# Altium PCB CX4.PcbDoc (part 1 of 2) (continued)
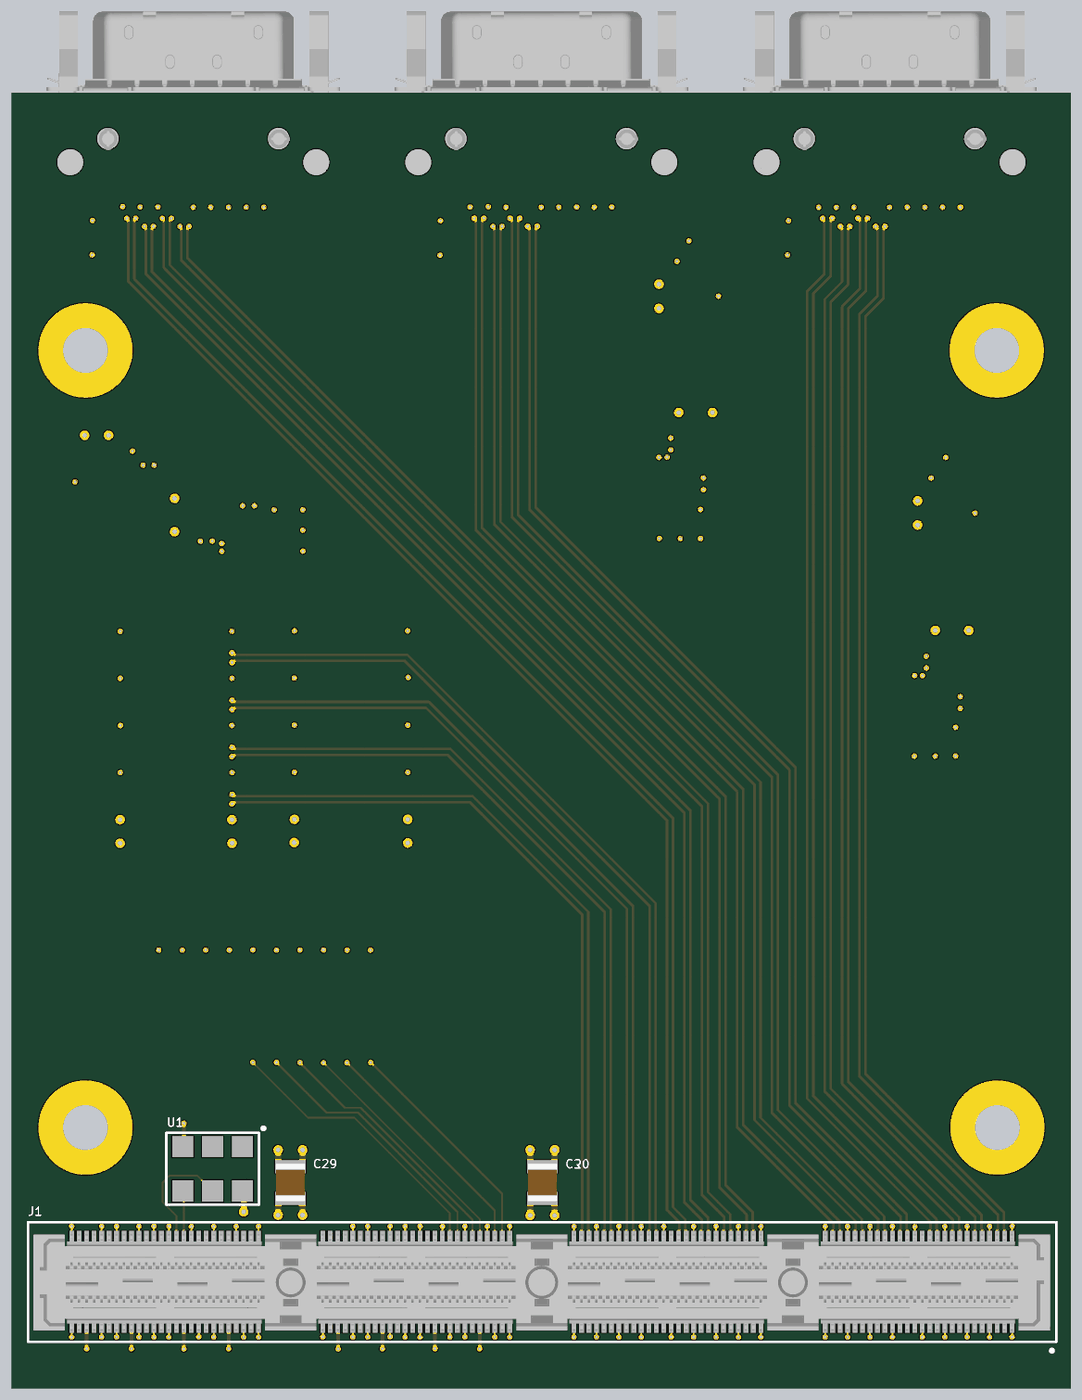
[diagram p8: 3D render of the assembled board from below, using the file's embedded part models]

## Layer stack, top to bottom
Top Layer: signal copper 1.4
Dielectric: core 4.9606, FR-4, Dk 4.8
Internal Plane 1: plane copper 1.4, net 3V3
Dielectric: prepreg 13.7795, FR-4, Dk 4.8
Mid-Layer 1: signal copper 1.4
Dielectric: core 18.1102, FR-4, Dk 4.8
Mid-Layer 2: signal copper 1.4
Dielectric: prepreg 13.7795, FR-4, Dk 4.8
Internal Plane 2: plane copper 1.4, net GND
Dielectric: core 4.9606, FR-4, Dk 4.8
Bottom Layer: signal copper 1.4

## Board outline
2.29,4333.21 3545.59,4333.21 3545.59,2.5 2.29,2.5

## Design rules (kind name [scope] priority, off if disabled: settings)
Clearance Clearance_mgt [InNetClass('mezz_mgt') vs InNetClass('mezz_mgt')] p1: gap=6
Clearance [All] p2: gap=1
DiffPairsRouting [All] p1: maxlimit=14 minlimit=11.8 mostfreqgap=12 maxuncoupledlength=500
PasteMaskExpansion [All] p1 off: expansion=0
PlaneClearance [All] p1: clearance=20
PlaneConnect [All] p1: planeconnectstyle=Relief reliefexpansion=20 reliefentries=4 reliefconductorwidth=10 reliefairgap=6
PolygonConnect [All] p1: connectstyle=Relief reliefconductorwidth=10 reliefentries=4 polygonreliefangle="90 Angle"
RoutingVias [All] p1: holewidth=10 width=19.4 viastyle="Through Hole" minholewidth=10 minwidth=18 maxholewidth=28 maxwidth=50
SilkscreenOverComponentPads [All] p1: minsilkscreentomaskgap=10
SolderMaskExpansion [All] p1 off: expansion=4
Width [All] p1: maxlimit=20 minlimit=6 preferedwidth=8.2
23 further rules are at their usual default settings.

## Classes and differential pairs
net class mezz_mgt: MGT_RX_16_N MGT_RX_16_P MGT_RX_17_N MGT_RX_17_P MGT_RX_18_N MGT_RX_18_P MGT_RX_19_N MGT_RX_19_P MGT_RX_20_N MGT_RX_20_P MGT_RX_21_N MGT_RX_21_P MGT_RX_22_N MGT_RX_22_P MGT_RX_23_N MGT_RX_23_P MGT_RX_24_N MGT_RX_24_P MGT_RX_25_N MGT_RX_25_P MGT_RX_26_N MGT_RX_26_P MGT_RX_27_N MGT_RX_27_P MGT_RX_28_N MGT_RX_28_P MGT_RX_29_N MGT_RX_29_P MGT_RX_30_N MGT_RX_30_P MGT_RX_31_N MGT_RX_31_P MGT_TX_16_N MGT_TX_16_P MGT_TX_17_N MGT_TX_17_P MGT_TX_18_N MGT_TX_18_P MGT_TX_19_N MGT_TX_19_P MGT_TX_20_N MGT_TX_20_P MGT_TX_21_N MGT_TX_21_P MGT_TX_22_N MGT_TX_22_P MGT_TX_23_N MGT_TX_23_P MGT_TX_24_N MGT_TX_24_P MGT_TX_25_N MGT_TX_25_P MGT_TX_26_N MGT_TX_26_P MGT_TX_27_N MGT_TX_27_P MGT_TX_28_N MGT_TX_28_P MGT_TX_29_N MGT_TX_29_P MGT_TX_30_N MGT_TX_30_P MGT_TX_31_N MGT_TX_31_P
component class CX4_3port_card: C29 C30 C? J1 P1 P2 P3 P? U1
component class CX4_enable_logic: C2 C3 C4 C5 C6 C7 C8 C9 C10 C11 C12 C13 C14 C15 C16 C17 C18 C19 C20 C21 C22 C23 C24 C25 C26 C27 C28 DS1 DS2 DS3 J2 J3 J4 R1 R2 R3 R4 R5 R6 R7 R8 R9 R10 R11 R12 R13 R14 R15 R16 R17 R18 U2 U3 U4 U5 U6 U7 U8 U9 U10
differential pair MGT1_REFCLK: +MGT1_REFCLK_P -MGT1_REFCLK_N
differential pair MGT_TX_28: +MGT_TX_28_P -MGT_TX_28_N
differential pair MGT_RX_16: +MGT_RX_16_P -MGT_RX_16_N
differential pair MGT_RX_17: +MGT_RX_17_P -MGT_RX_17_N
differential pair MGT_RX_18: +MGT_RX_18_P -MGT_RX_18_N
differential pair MGT_RX_19: +MGT_RX_19_P -MGT_RX_19_N
differential pair MGT_RX_20: +MGT_RX_20_P -MGT_RX_20_N
differential pair MGT_RX_21: +MGT_RX_21_P -MGT_RX_21_N
differential pair MGT_RX_22: +MGT_RX_22_P -MGT_RX_22_N
differential pair MGT_RX_23: +MGT_RX_23_P -MGT_RX_23_N
differential pair MGT_RX_24: +MGT_RX_24_P -MGT_RX_24_N
differential pair MGT_RX_25: +MGT_RX_25_P -MGT_RX_25_N
differential pair MGT_RX_26: +MGT_RX_26_P -MGT_RX_26_N
differential pair MGT_RX_27: +MGT_RX_27_P -MGT_RX_27_N
differential pair MGT_RX_28: +MGT_RX_28_P -MGT_RX_28_N
differential pair MGT_RX_29: +MGT_RX_29_P -MGT_RX_29_N
differential pair MGT_RX_30: +MGT_RX_30_P -MGT_RX_30_N
differential pair MGT_RX_31: +MGT_RX_31_P -MGT_RX_31_N
differential pair MGT_TX_16: +MGT_TX_16_P -MGT_TX_16_N
differential pair MGT_TX_17: +MGT_TX_17_P -MGT_TX_17_N
differential pair MGT_TX_18: +MGT_TX_18_P -MGT_TX_18_N
differential pair MGT_TX_19: +MGT_TX_19_P -MGT_TX_19_N
differential pair MGT_TX_20: +MGT_TX_20_P -MGT_TX_20_N
differential pair MGT_TX_21: +MGT_TX_21_P -MGT_TX_21_N
differential pair MGT_TX_22: +MGT_TX_22_P -MGT_TX_22_N
differential pair MGT_TX_23: +MGT_TX_23_P -MGT_TX_23_N
differential pair MGT_TX_24: +MGT_TX_24_P -MGT_TX_24_N
differential pair MGT_TX_25: +MGT_TX_25_P -MGT_TX_25_N
differential pair MGT_TX_26: +MGT_TX_26_P -MGT_TX_26_N
differential pair MGT_TX_27: +MGT_TX_27_P -MGT_TX_27_N
differential pair MGT_TX_29: +MGT_TX_29_P -MGT_TX_29_N
differential pair MGT_TX_30: +MGT_TX_30_P -MGT_TX_30_N
differential pair MGT_TX_31: +MGT_TX_31_P -MGT_TX_31_N

## Components (designator, comment, footprint, x,y, rotation, side; value= is the part's Value field where it differs from the comment)
C2 "0.01uF" CAPC1005X55L 373,3114 r180 top
C3 "0.1uF" CAPC1005X60L 373,3078 r180 top
C4 "4.7uF" CAPC2012X127L 393,3024 r180 top
C5 "22uF" CAPC3225X270L 417,2928 r180 top
C6 "0.01uF" CAPC1005X55L 950,3743 r270 top
C7 "0.01uF" CAPC1005X55L 388,2164 r90 top
C8 "0.1uF" CAPC1005X60L 397,2295 r90 top
C9 "0.1uF" CAPC1005X60L 461,2430 r90 top
C10 "0.1uF" CAPC1005X60L 401,2536 r0 top
C11 "0.01uF" CAPC1005X55L 1229.43,3837.7 r180 top
C12 "0.1uF" CAPC1005X60L 1229.43,3801.7 r180 top
C13 "4.7uF" CAPC2012X127L 1249.43,3747.7 r180 top
C14 "22uF" CAPC3225X270L 1273.43,3652.7 r180 top
C15 "0.01uF" CAPC1005X55L 2112.7,3741.57 r270 top
C16 "0.01uF" CAPC1005X55L 1241,2892.31 r90 top
C17 "0.1uF" CAPC1005X60L 1257,3026 r90 top
C18 "0.1uF" CAPC1005X60L 1315,3159 r90 top
C19 "0.1uF" CAPC1005X60L 1258,3264 r0 top
C20 "0.01uF" CAPC1005X55L 3069,3042 r270 top
C21 "0.1uF" CAPC1005X60L 3106,3042 r270 top
C22 "4.7uF" CAPC2012X127L 3162,3062 r270 top
C23 "22uF" CAPC3225X270L 3261.13,3085.34 r270 top
C24 "0.01uF" CAPC1005X55L 3276.07,3742.8 r270 top
C25 "0.01uF" CAPC1005X55L 2620,2939 r0 top
C26 "0.1uF" CAPC1005X60L 2753,2925 r0 top
C27 "0.1uF" CAPC1005X60L 2894,2860 r0 top
C28 "0.1uF" CAPC1005X60L 3000,2919 r270 top
C29 "22uF" CAPC3225X270L 2613,691 r270 bottom
C30 "22uF" CAPC3225X270L 1770,691 r270 bottom
DS1 "SML-LX1206IC-TR" LEDC3216X120N 1020,3798 r90 top
DS2 "SML-LX1206IC-TR" LEDC3216X120N 2184.7,3797.57 r90 top
DS3 "SML-LX1206IC-TR" LEDC3216X120N 3349.2,3798.15 r90 top
J1 "QFSS-064-04.25-L-D-A-DP" SAMTEC_QFSS-064-04.25-L-D-DP-A 1771,359 r180 bottom
J2 "FCN-268D008-G/2D" FCN-268D008-G 609,4156 r180 top
J3 "FCN-268D008-G/2D" FCN-268D008-G 1774,4156 r180 top
J4 "FCN-268D008-G/2D" FCN-268D008-G 2938,4156 r180 top
P1 "SMT Header, 2mm 10X2" "HEADER 10x2, SMT, 2mm" 2412,2180 r90 top
P2 "SMT Header, 2mm 10X2" "HEADER 10x2, SMT, 2mm" 2995,2179 r90 top
P3 "SMT Header, 2mm 10X2" "HEADER 10x2, SMT, 2mm" 2699,1285 r0 top
R1 "150R" RESC1005X40L 947,3857 r90 top
R2 "5K1" RESC1005X40L 421,2164 r90 top
R3 "3K9" RESC1005X40L 456,2164 r270 top
R4 "6K8" RESC1005X40L 491,2164 r270 top
R5 "150R" RESC1005X40L 2111,3857 r90 top
R6 "3K9" RESC1005X40L 526,2164 r270 top
R7 "10K" RESC1005X40L 522,2478 r90 top
R8 "5K1" RESC1005X40L 1274,2892.31 r90 top
R9 "3K9" RESC1005X40L 1309,2892.31 r270 top
R10 "6K8" RESC1005X40L 1344,2892.31 r270 top
R11 "150R" RESC1005X40L 3275.07,3857.8 r90 top
R12 "5K1" RESC1005X40L 2620.32,2906 r0 top
R13 "3K9" RESC1005X40L 2620.32,2871 r180 top
R14 "6K8" RESC1005X40L 2620.32,2836 r180 top
R15 "3K9" RESC1005X40L 1379,2892 r270 top
R16 "10K" RESC1005X40L 1377,3207 r90 top
R17 "3K9" RESC1005X40L 2620.32,2801 r180 top
R18 "10K" RESC1005X40L 2945,2800 r0 top
U1 "CCLD-023-25-156.250" CCLD-023X-XX-XXX_XXX 2873,737 r0 bottom
U2 "MAX9032AKA" TSOT-23-8 486,2295 r90 top
U3 "SN74AHC1G08DCKR" SC70-5 388,2450 r90 top
U4 "TPS2031D" SOIC150-8_N 447,2710 r90 top
U5 "MAX9032AKA" TSOT-23-8 1340,3025 r90 top
U6 "SN74AHC1G08DCKR" SC70-5 1244,3179 r90 top
U7 "MAX9032AKA" TSOT-23-8 2753,2839 r0 top
U8 "SN74AHC1G08DCKR" SC70-5 2913,2933 r0 top
U9 "TPS2031D" SOIC150-8_N 1302.43,3435.7 r90 top
U10 "TPS2031D" SOIC150-8_N 3170,2875 r0 top

## Footprints (in the part's own frame and the unit in brackets; to place one, negate y for a bottom-side part, rotate by r counter-clockwise, add the part's x,y. Pads: shape width x height; smd on the part's side, far side on the other; paste and mask are expansions set on the pad)
CAPC1005X55L [mm] "Chip Capacitor, Body 1.0x0.5mm, IPC High Density"
  rrect50% 0.6x0.5 smd: 1(-0.5,0) 2(0.5,0)
  body extent -0.5,-0.25 0.5,0.25, height 0.48
CAPC1005X60L [mm] "Chip Capacitor, Body 1.0x0.5mm, IPC High Density"
  rrect50% 0.6x0.5 smd: 1(-0.5,0) 2(0.5,0)
  body extent -0.5,-0.25 0.5,0.25, height 0.49
CAPC2012X127L [mm] "Chip Capacitor, Body 2.0x1.3mm, IPC High Density"
  rect 1.1x1.4 smd: 1(-0.75,0) 2(0.75,0)
  body extent -1,-0.61 1,0.64, height 0.78
CAPC3225X270L [mm] "Chip Capacitor, Body 3.2x2.5mm, IPC High Density"
  rect 1.1x2.6 smd: 1(-1.35,0) 2(1.35,0)
  body extent -1.6,-1.24 1.6,1.26, height 2.5
CCLD-023X-XX-XXX_XXX [mm] "Crystek CCLD-023 Series Clock Oscillators"
  rect 1.8x1.8 smd: 1(-2.54,-1.875) 2(0,-1.875) 3(2.54,-1.875) 4(2.54,1.875) 5(0,1.875) 6(-2.54,1.875)
  silkscreen extent -4.44,-3.55 3.94,3.05, body extent -3.56,-2.54 3.56,2.54, height 1.8
FCN-268D008-G [mm] "FCN-260 MicroGiGa differential Connector, 8 pair."
  round 1.82 hole 1.82 unplated: 0(7.254,-0.592) 1(-7.246,-0.592)
  round 2.2 hole 2.2 unplated: 0(10.454,1.408) 1(-10.446,1.408)
  rect 0.305x2.6 smd: G1(6.004,3.508) G2(4.504,3.508) G3(3.004,3.508) G4(1.504,3.508) G5(0.004,3.508) G6(-1.496,3.508) G7(-2.996,3.508) G8(-4.496,3.508) G9(-5.996,3.508) S1(5.504,1.408) S2(5.004,1.408) S3(4.004,1.408) S4(3.504,1.408) S5(2.504,1.408) S6(2.004,1.408) S7(1.004,1.408) S8(0.504,1.408) S9(-0.496,1.408) S10(-0.996,1.408) S11(-1.996,1.408) S12(-2.496,1.408) S13(-3.496,1.408) S14(-3.996,1.408) S15(-4.996,1.408) S16(-5.496,1.408)
  body extent -12.42,-11.37 12.48,4.43, height 10.9
"HEADER 10x2, SMT, 2mm" [mm] "SMT Header, 10 x 2 rows, 2mm pitch"
  rect 1.02x3.3 smd: 1(-9,-2.135) 2(-9,2.135) 3(-7,-2.135) 4(-7,2.135) 5(-5,-2.135) 6(-5,2.135) 7(-3,-2.135) 8(-3,2.135) 9(-1,-2.135) 10(-1,2.135) 11(1,-2.135) 12(1,2.135) 13(3,-2.135) 14(3,2.135) 15(5,-2.135) 16(5,2.135) 17(7,-2.135) 18(7,2.135) 19(9,-2.135) 20(9,2.135)
  silkscreen extent -10.27,-3.2 10,2, body extent -11.45,-3.5 11.46,3.53, height 4.51
LEDC3216X120N [mm] "LED Chip, 3.2mm x 1.6mm"
  rect 1.15x1.8 smd: 1(-1.5,0) 2(1.5,0)
  silkscreen extent -2.67,-0.64 -2.41,0.63, body extent -1.52,-0.89 1.52,0.89, height 1.2
RESC1005X40L [mm] "Chip Resistor, Body 1.1x0.5mm, IPC High Density"
  rect 0.6x0.6 smd: 1(-0.5,0) 2(0.5,0)
  body extent -0.5,-0.3 0.5,0.3, height 0.2
SAMTEC_QFSS-064-04.25-L-D-DP-A [mil] "SAMTEC, 64-pair, QFFS-DP Series Connector"
  rect 16x85 smd: A1(1546.71,-127.5) A2(1521.71,-127.5) A3(1471.71,-127.5) A4(1446.71,-127.5) A5(1396.71,-127.5) A6(1371.71,-127.5) A7(1321.71,-127.5) A8(1296.71,-127.5) A9(1221.71,-127.5) A10(1196.71,-127.5) A11(1146.71,-127.5) A12(1121.71,-127.5) A13(1071.71,-127.5) A14(1046.71,-127.5) A15(996.71,-127.5) A16(971.71,-127.5) A17(1546.71,127.5) A18(1521.71,127.5) A19(1471.71,127.5) A20(1446.71,127.5) A21(1396.71,127.5) A22(1371.71,127.5) A23(1321.71,127.5) A24(1296.71,127.5) A25(1221.71,127.5) A26(1196.71,127.5) A27(1146.71,127.5) A28(1121.71,127.5) A29(1071.71,127.5) A30(1046.71,127.5) A31(996.71,127.5) A32(971.71,127.5) AG1(1571.71,-127.5) AG2(1496.71,-127.5) AG3(1421.71,-127.5) AG4(1346.71,-127.5) AG5(1271.71,-127.5) AG6(1246.71,-127.5) AG7(1171.71,-127.5) AG8(1096.71,-127.5) AG9(1021.71,-127.5) AG10(946.71,-127.5) AG11(1571.71,127.5) AG12(1496.71,127.5) AG13(1421.71,127.5) AG14(1346.71,127.5) AG15(1271.71,127.5) AG16(1246.71,127.5) AG17(1171.71,127.5) AG18(1096.71,127.5) AG19(1021.71,127.5) AG20(946.71,127.5) B1(706.71,-127.5) B2(681.71,-127.5) B3(631.71,-127.5) B4(606.71,-127.5) B5(556.71,-127.5) B6(531.71,-127.5) B7(481.71,-127.5) B8(456.71,-127.5) B9(381.71,-127.5) B10(356.71,-127.5) B11(306.71,-127.5) B12(281.71,-127.5) B13(231.71,-127.5) B14(206.71,-127.5) B15(156.71,-127.5) B16(131.71,-127.5) B17(706.71,127.5) B18(681.71,127.5) B19(631.71,127.5) B20(606.71,127.5) B21(556.71,127.5) B22(531.71,127.5) B23(481.71,127.5) B24(456.71,127.5) B25(381.71,127.5) B26(356.71,127.5) B27(306.71,127.5) B28(281.71,127.5) B29(231.71,127.5) B30(206.71,127.5) B31(156.71,127.5) B32(131.71,127.5) BG1(731.71,-127.5) BG2(656.71,-127.5) BG3(581.71,-127.5) BG4(506.71,-127.5) BG5(431.71,-127.5) BG6(406.71,-127.5) BG7(331.71,-127.5) BG8(256.71,-127.5) BG9(181.71,-127.5) BG10(106.71,-127.5) BG11(731.71,127.5) BG12(656.71,127.5) BG13(581.71,127.5) BG14(506.71,127.5) BG15(431.71,127.5) BG16(406.71,127.5) BG17(331.71,127.5) BG18(256.71,127.5) BG19(181.71,127.5) BG20(106.71,127.5) C1(-133.29,-127.5) C2(-158.29,-127.5) C3(-208.29,-127.5) C4(-233.29,-127.5) C5(-283.29,-127.5) C6(-308.29,-127.5) C7(-358.29,-127.5) C8(-383.29,-127.5) C9(-458.29,-127.5) C10(-483.29,-127.5) C11(-533.29,-127.5) C12(-558.29,-127.5) C13(-608.29,-127.5) C14(-633.29,-127.5) C15(-683.29,-127.5) C16(-708.29,-127.5) C17(-133.29,127.5) C18(-158.29,127.5) C19(-208.29,127.5) C20(-233.29,127.5) C21(-283.29,127.5) C22(-308.29,127.5) C23(-358.29,127.5) C24(-383.29,127.5) C25(-458.29,127.5) C26(-483.29,127.5) C27(-533.29,127.5) C28(-558.29,127.5) C29(-608.29,127.5) C30(-633.29,127.5) C31(-683.29,127.5) C32(-708.29,127.5) CG1(-108.29,-127.5) CG2(-183.29,-127.5) CG3(-258.29,-127.5) CG4(-333.29,-127.5) CG5(-408.29,-127.5) CG6(-433.29,-127.5) CG7(-508.29,-127.5) CG8(-583.29,-127.5) CG9(-658.29,-127.5) CG10(-733.29,-127.5) CG11(-108.29,127.5) CG12(-183.29,127.5) CG13(-258.29,127.5) CG14(-333.29,127.5) CG15(-408.29,127.5) CG16(-433.29,127.5) CG17(-508.29,127.5) CG18(-583.29,127.5) CG19(-658.29,127.5) CG20(-733.29,127.5) D1(-973.29,-127.5) D2(-998.29,-127.5) D3(-1048.29,-127.5) D4(-1073.29,-127.5) D5(-1123.29,-127.5) D6(-1148.29,-127.5) D7(-1198.29,-127.5) D8(-1223.29,-127.5) D9(-1298.29,-127.5) D10(-1323.29,-127.5) D11(-1373.29,-127.5) D12(-1398.29,-127.5) D13(-1448.29,-127.5) D14(-1473.29,-127.5) D15(-1523.29,-127.5) D16(-1548.29,-127.5) D17(-973.29,127.5) D18(-998.29,127.5) D19(-1048.29,127.5) D20(-1073.29,127.5) D21(-1123.29,127.5) D22(-1148.29,127.5) D23(-1198.29,127.5) D24(-1223.29,127.5) D25(-1298.29,127.5) D26(-1323.29,127.5) D27(-1373.29,127.5) D28(-1398.29,127.5) D29(-1448.29,127.5) D30(-1473.29,127.5) D31(-1523.29,127.5) D32(-1548.29,127.5) DG1(-948.29,-127.5) DG2(-1023.29,-127.5) DG3(-1098.29,-127.5) DG4(-1173.29,-127.5) DG5(-1248.29,-127.5) DG6(-1273.29,-127.5) DG7(-1348.29,-127.5) DG8(-1423.29,-127.5) DG9(-1498.29,-127.5) DG10(-1573.29,-127.5) DG11(-948.29,127.5) DG12(-1023.29,127.5) DG13(-1098.29,127.5) DG14(-1173.29,127.5) DG15(-1248.29,127.5) DG16(-1273.29,127.5) DG17(-1348.29,127.5) DG18(-1423.29,127.5) DG19(-1498.29,127.5) DG20(-1573.29,127.5)
  rect 710x20 smd: AGND(1260,0) BGND(420,0) CGND(-420,0) DGND(-1260,0)
  round 0 hole 46 unplated: M1(1665,-80) M2(-1665,-80)
  silkscreen extent -1720,-235 1720,200, body extent -1701,-162 1699,158, height 348
SC70-5 [mm]
  rect 0.85x0.35 smd: 1(-1.1,0.65) 2(-1.1,0) 3(-1.1,-0.65) 4(1.1,-0.65) 5(1.1,0.65)
  silkscreen extent -1.22,-1 0.45,1.5, body extent -1.1,-1.01 1.1,0.99, height 0.97
SOIC150-8_N [mm] "8-Pin Plastic Narrow Body Small Outline Integrated Circuit 1.27 mm Pitch, IPC Medium Density"
  rect 1.8x0.6 smd: 1(-2.6,1.905) 2(-2.6,0.635) 3(-2.6,-0.635) 4(-2.6,-1.905) 5(2.6,-1.905) 6(2.6,-0.635) 7(2.6,0.635) 8(2.6,1.905)
  silkscreen extent -2.72,-2.5 1.3,2.88, body extent -3.03,-2.49 2.98,2.51, height 1.75
TSOT-23-8 [mm]
  rect 1.22x0.42 smd: 1(-1.31,0.975) 2(-1.31,0.325) 3(-1.31,-0.325) 4(-1.31,-0.975) 5(1.31,-0.975) 6(1.31,-0.325) 7(1.31,0.325) 8(1.31,0.975)
  silkscreen extent -1.9,-1.55 0.25,2.03, body extent -1.39,-1.47 1.41,1.47, height 1.2

## Part data
C2 C6 C7 C11 C15 C16 C20 C24 C25: library part CAP-CER-6, "0.01uF, Ceramic Capacitor"
C3 C8 C9 C10 C12 C17 C18 C19 C21 C26 C27 C28: library part CAP-CER-1, "0.1uF, Ceramic Capacitor"
C4 C13 C22: library part CAP-CER-3, "4.7uF, Ceramic Capacitor"
C5 C14 C23 C29 C30: library part CAP-CER-9, "22uF, Ceramic Capacitor"
DS1 DS2 DS3: library part OPTO-LED-1, "Red, Surface mount, LED, 1206"
J1: library part CONN-PCB-19, "Shielded, 64-Differential Pair, Rugged High-Speed Terminal Strip, 0.635mm Pitch"
J2 J3 J4: library part CONN-PCB-25, "CX4/Infiniband 4 channel Socket Connector"
P1 P2 P3: library part CONN-PCB-26, "2x10, 2mm Pitch, Male Header, Surface Mount"
R1 R5 R11: library part RES-TF-48, "150R, 1.1mm x 0.5mm, Thick Film Resistor"
R2 R8 R12: library part RES-TF-46, "5K1, 1.1mm x 0.5mm, Thick Film Resistor"
R3 R6 R9 R13 R15 R17: library part RES-TF-45, "3K9, 1.1mm x 0.5mm, Thick Film Resistor"
R4 R10 R14: library part RES-TF-47, "6K8, 1.1mm x 0.5mm, Thick Film Resistor"
R7 R16 R18: library part RES-TF-5, "10K, 1.1mm x 0.5mm, Thick Film Resistor"
U1: library part RESN-CLK-4, "156.25 MHz, Low-Jitter Differential LVDS Clock Oscillator"
U2 U5 U7: library part IC-COMP-0, "Dual Single-Supply Comparator"
U3 U6 U8: library part IC-LOG-17, "Single 2-Input Positive-AND Gate"
U4 U9 U10: library part IC-DISC-0, "Power-Distribution Switch"

## Free pads (board coordinates)
  round 314.96 hole 150: 1(3298.29,874.5) 2(248.29,874.5) 3(250.29,3471.5) 4(3298.29,3471.5)

## Via types
v1: diameter 18, hole 10, Top Layer to Bottom Layer, 224 vias
v2: diameter 19.4, hole 10, Top Layer to Bottom Layer, 49 vias
v3: diameter 32, hole 16, Top Layer to Bottom Layer, 29 vias
v4: diameter 19.1, hole 10, Top Layer to Bottom Layer, 6 vias

## Nets (pads, with @x,y where several pads share a name; then routed paths per layer and width w, separated by ;. In a path a pad name is that pad's centre, name@x,y a point inside that pad or via, vN(x,y) a via of type N, cw(c..) or ccw(c..) an arc to the next point about the centre after c; other vN are vias at no path point)
1V5: J1.C27 J1.C28 J1.C31 J1.C32 J1.D27 J1.D28 J1.D31 J1.D32
3V3: C8.2 C9.2 C10.2 C17.2 C18.2 C19.2 C26.2 C27.2 C28.2 C29.2 C30.2 J1.C3 J1.C4 J1.C7 J1.C8 J1.C11 J1.C12 J1.C15 J1.C16 J1.D3 J1.D4 J1.D7 J1.D8 J1.D11 J1.D12 J1.D15 J1.D16 P1.1 P1.2 P2.1 P2.2 R1.2 R2.1 R3.2 R5.2 R8.1 R9.2 R11.2 R12.1 R13.2 U1.6 U2.8 U3.5 U4.2 U4.3 U5.8 U6.5 U7.8 U8.5 U9.2 U9.3 U10.2 U10.3 | length 3308.6
  Top Layer w12: U3.5@362.41,2493.31 362.41,2466.59 379.31,2449.69 C9.2@461,2449.69 v1(485.69,2449.69) ; v1(372.31,2314.69) C8.2@397,2314.69 397,2338 405.57,2346.57 U2.8@447.61,2346.57 ; R2.1@421,2144.32 R3.2@456,2144.31 v1(456,2116) ; R1.2@947,3876.69 v1(947,3905) ; U6.5@1218.41,3222.31 1218.41,3193.59 1233.31,3178.69 C18.2@1315,3178.69 v1(1340.69,3178.69) ; v1(1231.31,3045.69) C17.2@1257,3045.69 1257,3068 1265.57,3076.57 U5.8@1301.61,3076.57 ; R8.1@1274,2872.63 R9.2@1309,2872.63 v1(1309,2843) ; R5.2@2111,3876.69 v1(2111,3905) ; v1(2571,2871) R13.2@2600.63,2871 R12.1@2600.63,2906 ; v1(2772.69,2952.31) C26.2@2772.69,2925 2794,2925 2804.57,2914.43 U7.8@2804.57,2877.39 ; C27.2@2913.69,2860 2913.69,2834.31 v1(2914,2834) ; C27.2@2914,2860.31 2914,2942 2929.59,2957.59 U8.5@2956.31,2957.59 ; R11.2@3275.07,3877.49 v1(3275.07,3905.8)
  Top Layer w20: U4.2@420.69,2606.32 C10.2@420.69,2536 v3(456,2536) ; U4.2@422,2607.64 U4.3@472,2607.64 ; C19.2@1277.43,3264.25 U9.2@1277.43,3333.34 ; C19.2@1277.69,3264 v3(1314,3264) ; U9.2@1277.69,3333.09 U9.2@1277.43,3333.34 ; U9.3@1327.43,3333.34 U9.2@1277.43,3333.34 ; v3(2220.33,1825.67) P1.2@2327.94,1825.67 ; P1.1@2496.06,1825.67 2497.39,1827 v3(2600,1827) ; v3(2808,1825) 2808.33,1824.67 P2.2@2910.94,1824.67 ; v3(3000,2866) C28.2@3000,2899.31 U10.2@3066.95,2899.31 ; U10.3@3067.64,2850 U10.2@3067.64,2900 ; P2.1@3079.06,1824.67 v3(3182.33,1824.67)
  Bottom Layer w12: v1(1980,135) 1979.29,135.71 J1.C3@1979.29,231.5 J1.C4@2004.29,231.5 ; v1(2129.29,135.71) J1.C7@2129.29,231.5 J1.C8@2154.29,231.5 ; v1(2305,135) 2304.29,135.71 J1.C11@2304.29,231.5 J1.C12@2329.29,231.5 ; v1(2453,135) 2453,230.21 J1.C15@2454.29,231.5 J1.C16@2479.29,231.5 ; v1(2819.29,135.29) J1.D3@2819.29,231.5 J1.D4@2844.29,231.5 ; v1(2969,135) 2969.29,135.29 J1.D7@2969.29,231.5 J1.D8@2994.29,231.5 ; v1(3144.29,135.29) J1.D11@3144.29,231.5 J1.D12@3169.29,231.5 ; v1(3294.29,135.29) J1.D15@3294.29,231.5 J1.D16@3319.29,231.5
  Bottom Layer w20: v3(1729,581) 1729,617 1749.85,637.85 C30.2@1770,637.85 1790.15,637.85 1811,617 v3(1811,581) ; v3(2572,582) 2572,616 2593.85,637.85 C29.2@2613,637.85 2632.15,637.85 2654,616 v3(2654,582) ; v3(2769,593) U1.6@2769,663.18
GND: C2.1 C3.1 C4.1 C5.1 C6.1 C7.1 C8.1 C9.1 C10.1 C11.1 C12.1 C13.1 C14.1 C15.1 C16.1 C17.1 C18.1 C19.1 C20.1 C21.1 C22.1 C23.1 C24.1 C25.1 C26.1 C27.1 C28.1 C29.1 C30.1 J1.AG1 J1.AG2 J1.AG3 J1.AG4 J1.AG5 J1.AG6 J1.AG7 J1.AG8 J1.AG9 J1.AG10 J1.AG11 J1.AG12 J1.AG13 J1.AG14 J1.AG15 J1.AG16 J1.AG17 J1.AG18 J1.AG19 J1.AG20 J1.AGND J1.BG1 J1.BG2 J1.BG3 J1.BG4 J1.BG5 J1.BG6 J1.BG7 J1.BG8 J1.BG9 J1.BG10 J1.BG11 J1.BG12 J1.BG13 J1.BG14 J1.BG15 J1.BG16 J1.BG17 J1.BG18 J1.BG19 J1.BG20 J1.BGND J1.C1 J1.C2 J1.C5 J1.C6 J1.C9 J1.C10 J1.C13 J1.C14 J1.C25 J1.C26 J1.C29 J1.C30 J1.CG1 J1.CG2 J1.CG3 J1.CG4 J1.CG5 J1.CG6 J1.CG7 J1.CG8 J1.CG9 J1.CG10 J1.CG11 J1.CG12 J1.CG13 J1.CG14 J1.CG15 J1.CG16 J1.CG17 J1.CG18 J1.CG19 J1.CG20 J1.CGND J1.D1 J1.D2 J1.D5 J1.D6 J1.D9 J1.D10 J1.D13 J1.D14 J1.D17 J1.D25 J1.D26 J1.D29 J1.D30 J1.DG1 J1.DG2 J1.DG3 J1.DG4 J1.DG5 J1.DG6 J1.DG7 J1.DG8 J1.DG9 J1.DG10 J1.DG11 J1.DG12 J1.DG13 J1.DG14 J1.DG15 J1.DG16 J1.DG17 J1.DG18 J1.DG19 J1.DG20 J1.DGND J2.G1 J2.G2 J2.G3 J2.G4 J2.G5 J2.G9 J3.G1 J3.G2 J3.G3 J3.G4 J3.G5 J3.G9 J4.G1 J4.G2 J4.G3 J4.G4 J4.G5 J4.G9 P1.3 P1.4 P1.7 P1.8 P1.11 P1.12 P1.15 P1.16 P1.19 P1.20 P2.3 P2.4 P2.7 P2.8 P2.11 P2.12 P2.15 P2.16 P2.19 P2.20 P3.2 P3.4 P3.6 P3.8 P3.10 P3.12 P3.14 P3.16 P3.18 P3.20 R6.1 R7.1 R15.1 R16.1 R17.1 R18.1 U1.3 U2.4 U3.3 U4.1 U5.4 U6.3 U7.4 U8.3 U9.1 U10.1 | length 17612.8
  Top Layer w6: v1(388,2116) C7.1@388,2144.32 ; C2.1@392.69,3114 v1(421,3114) ; v1(485.69,2410.32) 513.32,2410.32 522,2419 R7.1@522,2458.32 ; v1@608.83,3950.27 v1(609.1,3950) ; v1@845.05,3950.95 v1(846,3950) ; v1(1241,2843) C16.1@1241,2872.63 ; C11.1@1249.12,3837.7 v1(1279.7,3837.7) ; v1(1340.68,3139.31) 1365.32,3139.31 1377,3151 R16.1@1377,3187.31 ; v1@1714.78,3950.55 v1(1715.1,3950.22) ; v1@2010.05,3952.95 v1(2012,3951) ; v1(2571,2939) C25.1@2600.32,2939 ; v1(2874.32,2834.32) 2874.32,2808.68 2883,2800 R18.1@2925.32,2800 ; v1@2878.78,3950.75 v1(2879.3,3950.22) ; v1(2937.83,3950.17) J4.G5@2937.83,4017.9 ; C20.1@3069,3061.69 v1(3069,3088) ; C21.1@3106,3061.69 v1(3106,3088) ; v1(3174.05,3951.95) J4.G9@3174.05,4017.9
  Top Layer w8: v1(2219,2379) 2219,2377.19 2219.34,2376.85 P1.16@2327.94,2376.85 ; v1(2220.11,2061.89) P1.8@2327.94,2061.89 ; v1(2220.37,2219.37) P1.12@2327.94,2219.37 ; v1(2220.67,2534.33) P1.20@2327.94,2534.33 ; P3.2@2344.67,1369.06 v1(2344.67,1467.67) ; P3.4@2423.41,1369.06 v1(2423.41,1467.59) ; P1.7@2496.06,2061.89 v1(2599.89,2061.89) ; P1.11@2496.06,2219.37 v1(2599.37,2219.37) ; P1.15@2496.06,2376.85 v1(2599.85,2376.85) ; P1.19@2496.06,2534.33 v1(2599.33,2534.33) ; P3.6@2502.15,1369.06 v1(2502.15,1467.85) ; P3.8@2580.89,1369.06 v1(2580.89,1467.89) ; P3.10@2659.63,1369.06 v1(2659.63,1467.63) ; v1(2738,1468) 2738.37,1467.63 P3.12@2738.37,1369.06 ; v1(2808.11,2060.89) P2.8@2910.94,2060.89 ; v1(2808.15,2375.85) P2.16@2910.94,2375.85 ; v1(2808.37,2218.37) P2.12@2910.94,2218.37 ; v1(2808.67,2533.33) P2.20@2910.94,2533.33 ; P3.14@2817.11,1369.06 v1(2817.11,1467.89) ; P3.16@2895.85,1369.06 v1(2895.85,1467.85) ; P3.18@2974.59,1369.06 v1(2974.59,1467.41) ; P3.20@3053.33,1369.06 v1(3053.33,1467.67) ; P2.7@3079.06,2060.89 v1(3181.89,2060.89) ; P2.11@3079.06,2218.37 v1(3181.37,2218.37) ; P2.15@3079.06,2375.85 v1(3181.85,2375.85) ; P2.19@3079.06,2533.33 3181.67,2533.33 v1(3182,2533)
  Top Layer w12: v1(372.32,2275.32) C8.1@397,2275.32 401.13,2279.44 512.03,2279.44 524.39,2267.09 U2.4@524.39,2243.43 524.39,2185.3 R6.1@526,2183.68 ; v2@372.61,3950.61 J2.G1@372.61,4017.9 ; C3.1@392.69,3078 C2.1@392.69,3114 ; U3.3@413.59,2406.69 456.38,2406.69 C9.1@461,2411.32 ; C4.1@422.53,3024 443.53,3045 v1(470,3045) ; v1(431.67,3950.34) J2.G2@431.67,4017.9 ; C9.1@461,2410.32 v1(485.69,2410.32) ; v1(490.7,3949.9) J2.G3@490.72,4017.9 ; v1(549.78,3950.22) J2.G4@549.78,4017.9 ; v1@608.83,3950.27 J2.G5@608.83,4017.9 ; J2.G9@845,4017.85 J2.G9@845.05,4017.9 v1@845.05,3950.95 ; C6.1@950,3762.69 v1(950,3791) ; v1(1231.32,3006.31) C17.1@1257,3006.31 1260.13,3009.44 1366.56,3009.44 1378.39,2997.61 U5.4@1378.39,2973.43 R15.1@1378.39,2912.3 ; C12.1@1249.12,3801.7 C11.1@1249.12,3837.7 ; U6.3@1269.59,3135.69 1311.38,3135.69 C18.1@1315,3139.31 v1(1340.68,3139.31) ; C13.1@1279.3,3747.7 C13.1@1278.96,3747.7 1300.26,3769 v1(1320,3769) ; v1(1537.61,3950.61) J3.G1@1537.61,4017.9 ; v1(1596.66,3950.34) J3.G2@1596.66,4017.9 ; v1(1655.72,3950.72) J3.G3@1655.72,4017.9 ; v1@1714.78,3950.55 J3.G4@1714.78,4017.9 ; v1(1773.83,3950.17) J3.G5@1773.83,4017.9 ; v1@2010.05,3952.95 J3.G9@2010.05,4017.9 ; C15.1@2112.7,3761.25 v1(2112.7,3789.7) ; R17.1@2640,2801 2725.47,2801 2737.44,2812.97 2737.44,2920.87 C26.1@2733.32,2925 v1(2733.32,2952.31) ; v1(2701.61,3950.39) J4.G1@2701.61,4017.9 ; v1(2760.66,3950.66) J4.G2@2760.66,4017.9 ; v1(2819.72,3950.28) J4.G3@2819.72,4017.9 ; U8.3@2869.69,2907.41 2869.69,2864.62 C27.1@2874.32,2860 v1(2874.32,2834.32) ; v1@2878.78,3950.75 J4.G4@2878.78,4017.9 ; v1(3141,3135) 3141,3112.53 C22.1@3162,3091.53 C22.1@3183,3112.53 ; C24.1@3276.07,3762.49 v1(3276.07,3790.8)
  Top Layer w20: v3(344,2536) C10.1@381.32,2536 372,2545.32 U4.1@372,2607.64 ; C4.1@422.53,3024 470.15,2976.38 C5.1@470.15,2928 ; v3(515,2888) 491,2888 470.15,2908.85 C5.1@470.15,2928 ; v3(515,2969) 493,2969 470.15,2946.15 C5.1@470.15,2928 ; v3(1201,3264) C19.1@1238.32,3264 1227.43,3274.88 U9.1@1227.43,3333.34 ; C13.1@1278.96,3747.7 1326.58,3700.08 C14.1@1326.58,3652.7 ; v3(1380,3612) 1350,3612 1326.58,3635.42 C14.1@1326.58,3652.7 ; v3(1380,3693) 1349,3693 1326.58,3670.58 C14.1@1326.58,3652.7 ; v3(2220.59,1904.41) P1.4@2327.94,1904.41 ; P1.3@2496.06,1904.41 v3(2599.41,1904.41) ; v3(2808.41,1903.41) P2.4@2910.94,1903.41 ; v3(3000,2977) C28.1@3000,2938.69 3011.32,2950 U10.1@3067.64,2950 ; P2.3@3079.06,1903.41 v3(3182.41,1903.41) ; C22.1@3162,3091.53 3208.96,3138.49 C23.1@3261.13,3138.49 ; v3(3221,3188) 3221,3161 3243.51,3138.49 C23.1@3261.13,3138.49 ; v3(3301,3188) 3301,3161 3278.49,3138.49 C23.1@3261.13,3138.49
  Bottom Layer w6: v1(199,545) 199.29,544.71 J1.AG11@199.29,486.5 199.29,371.71 212,359 J1.AGND@511,359 ; v1(199.29,174.71) J1.AG1@199.29,231.5 ; v1(274.29,174.29) J1.AG2@274.29,231.5 ; J1.AG12@274.29,486.5 v1(274.29,544.29) ; v1(349.29,175.29) J1.AG3@349.29,231.5 ; J1.AG13@349.29,486.5 v1(349.29,544.29) ; v1(424.29,174.29) J1.AG4@424.29,231.5 ; J1.AG14@424.29,486.5 v1(424.29,544.29) ; v1(499.29,174.29) J1.AG5@499.29,231.5 ; J1.AG15@499.29,486.5 v1(499.29,429) 499.29,370.71 J1.AGND@511,359 ; J1.AG6@524.29,231.5 v1(524.29,289.71) ; J1.AG16@524.29,486.5 v1(524.29,543.71) ; v1(599.29,174.71) J1.AG7@599.29,231.5 ; J1.AG17@599.29,486.5 v1(599.29,544.71) ; v1@609.1,3949.7 v1(609.1,3950) ; v1(674.29,174.71) J1.AG8@674.29,231.5 ; J1.AG18@674.29,486.5 v1(674.29,544.29) ; v1(749.29,174.29) J1.AG9@749.29,231.5 ; J1.AG19@749.29,486.5 v1(749.29,544.29) ; v1(824.29,174.29) J1.AG10@824.29,231.5 ; v1(824.29,544.71) J1.AG20@824.29,486.5 824.29,370.29 813,359 J1.AGND@511,359 ; v1@846,3949 v1(846,3950) ; v1(1039.29,174.71) J1.BG1@1039.29,231.5 ; v1(1039.29,544.29) J1.BG11@1039.29,486.5 1039.29,372.71 1053,359 J1.BGND@1351,359 ; v1(1114.29,174.29) J1.BG2@1114.29,231.5 ; J1.BG12@1114.29,486.5 v1(1114.29,544.71) ; v1(1189.29,174.29) J1.BG3@1189.29,231.5 ; J1.BG13@1189.29,486.5 v1(1189.29,544.71) ; v1(1264.29,174.29) J1.BG4@1264.29,231.5 ; J1.BG14@1264.29,486.5 v1(1264.29,544.29) ; v1(1339.29,174.71) J1.BG5@1339.29,231.5 ; J1.BG15@1339.29,486.5 v1(1339.29,430.29) 1339.29,370.71 J1.BGND@1351,359 ; J1.BG6@1364.29,231.5 v1(1364.29,289.29) ; J1.BG16@1364.29,486.5 v1(1364.29,544.71) ; v1(1439.29,174.29) J1.BG7@1439.29,231.5 ; J1.BG17@1439.29,486.5 v1(1439.29,544.71) ; v1(1514.29,174.29) J1.BG8@1514.29,231.5 ; J1.BG18@1514.29,486.5 v1(1514.29,544.71) ; v1(1589.29,174.71) J1.BG9@1589.29,231.5 ; J1.BG19@1589.29,486.5 v1(1589.29,544.71) ; v1(1664.29,174.29) J1.BG10@1664.29,231.5 ; v1(1664.29,544.29) J1.BG20@1664.29,486.5 1664.29,368.29 1655,359 J1.BGND@1351,359 ; v1@1715,3950.12 v1(1715.1,3950.22) ; v1(1879.29,174.29) J1.CG1@1879.29,231.5 ; v1(1879.29,544.71) J1.CG11@1879.29,486.5 1879.29,368.71 1889,359 J1.CGND@2191,359 ; J1.CGND@1898,359 J1.CGND@2191,359 ; J1.C1@1904.29,231.5 v1(1904.29,289.29) ; v1(1929.29,174.29) J1.C2@1929.29,231.5 ; J1.CG2@1954.29,231.5 v1(1954.29,288.71) ; J1.CG12@1954.29,486.5 v1(1954.29,544.71) ; v1(2029.29,174.71) J1.CG3@2029.29,231.5 ; J1.CG13@2029.29,486.5 v1(2029.29,544.71) ; J1.C5@2054.29,231.5 v1(2054.29,289.29) ; v1(2079.29,174.29) J1.C6@2079.29,231.5 ; J1.CG4@2104.29,231.5 v1(2104.29,288.71) ; J1.CG14@2104.29,486.5 v1(2104.29,544.71) ; v1(2179.29,174.29) J1.CG5@2179.29,231.5 ; J1.CG15@2179.29,486.5 v1(2179.29,544.71) ; J1.CG6@2204.29,231.5 v1(2204.29,288.29) ; J1.CG16@2204.29,486.5 v1(2204.29,429.29) 2204.29,372.29 J1.CGND@2191,359 ; v1(2229.29,174.29) J1.C9@2229.29,231.5 ; J1.C25@2229.29,486.5 v1(2229.29,544.71) ; J1.C10@2254.29,231.5 v1(2254.29,288.71) ; v1(2254.29,429.29) J1.C26@2254.29,486.5 ; v1(2279.29,175.71) J1.CG7@2279.29,231.5 ; J1.CG17@2279.29,486.5 v1(2279.29,544.71) ; v1(2354.29,174.71) J1.CG8@2354.29,231.5 ; J1.CG18@2354.29,486.5 v1(2354.29,544.71) ; J1.C13@2379.29,231.5 v1(2379.29,288.71) ; v1(2379.29,429.29) J1.C29@2379.29,486.5 ; v1(2404.29,174.29) J1.C14@2404.29,231.5 ; J1.C30@2404.29,486.5 v1(2404.29,544.71) ; J1.CG9@2429.29,231.5 v1(2429.29,288.29) ; v1(2429.29,429.29) J1.CG19@2429.29,486.5 ; v1(2504.29,174.71) J1.CG10@2504.29,231.5 ; J1.CG20@2504.29,486.5 2504.29,374.29 2489,359 J1.CGND@2191,359 ; v1(2719.29,174.29) J1.DG1@2719.29,231.5 ; v1(2719.29,544.71) J1.DG11@2719.29,486.5 2719.29,372.71 2733,359 J1.DGND@3031,359 ; J1.D1@2744.29,231.5 v1(2744.29,288.71) ; v1(2744.29,429.29) J1.D17@2744.29,486.5 ; v1(2769.29,174.29) J1.D2@2769.29,231.5 ; J1.DG2@2794.29,231.5 v1(2794.29,288.71) ; J1.DG12@2794.29,486.5 v1(2794.29,544.29) ; v1(2869.29,174.29) J1.DG3@2869.29,231.5 ; J1.DG13@2869.29,486.5 v1(2869.29,544.29) ; v1@2879.22,3950.22 v1(2879.3,3950.22) ; J1.D5@2894.29,231.5 v1(2894.29,288.71) ; v1(2919.29,175.29) J1.D6@2919.29,231.5 ; J1.DG4@2944.29,231.5 v1(2944.29,288.71) ; J1.DG14@2944.29,486.5 v1(2944.29,544.29) ; v1(3019.29,174.71) J1.DG5@3019.29,231.5 ; J1.DG15@3019.29,486.5 v1(3019.29,544.71) ; J1.DG6@3044.29,231.5 v1(3044.29,288.71) ; J1.DG16@3044.29,486.5 v1(3044.29,429.29) 3044.29,372.29 J1.DGND@3031,359 ; v1(3069.29,174.29) J1.D9@3069.29,231.5 ; J1.D25@3069.29,486.5 v1(3069.29,544.71) ; J1.D10@3094.29,231.5 v1(3094.29,288.71) ; v1(3094.29,429.29) J1.D26@3094.29,486.5 ; v1(3119.29,174.29) J1.DG7@3119.29,231.5 ; J1.DG17@3119.29,486.5 v1(3119.29,544.71) ; v1(3194.29,174.71) J1.DG8@3194.29,231.5 ; J1.DG18@3194.29,486.5 v1(3194.29,544.71) ; J1.D13@3219.29,231.5 v1(3219.29,288.71) ; v1(3219.29,429.29) J1.D29@3219.29,486.5 ; v1(3244.29,174.29) J1.D14@3244.29,231.5 ; J1.D30@3244.29,486.5 v1(3244.29,544.71) ; J1.DG9@3269.29,231.5 v1(3269.29,288.71) ; v1(3269.29,429.29) J1.DG19@3269.29,486.5 ; v1(3344.29,174.29) J1.DG10@3344.29,231.5 ; v1(3344.29,544.71) J1.DG20@3344.29,486.5 3344.29,367.29 3336,359 J1.DGND@3031,359
  Bottom Layer w12: U1.3@2969,810.82 v1(2969,889)
  Bottom Layer w20: v3(1729,800) 1729,765 1749.85,744.15 C30.1@1770,744.15 1790.15,744.15 1811,765 v3(1811,800) ; v3(2572,800) 2572,765 2592.85,744.15 C29.1@2613,744.15 2633.15,744.15 2654,765 v3(2654,800)
  other v2: 372,3950
MGT1_REFCLK_N: J1.D23 U1.4 | length 178.2
  Bottom Layer w6: J1.D23@2969.29,486.5 2969.29,659.47 U1.4@2973,663.18
MGT1_REFCLK_P: J1.D24 U1.5 | length 421
  Bottom Layer w6: U1.5@2873,663.18 2923.82,714 3017,714 3040,691 3040,625 2994.29,579.29 2994.29,533.34 J1.D24@2994.29,486.5
MGT_GPIO0: J1.C17 P3.1 | length 895.9
  Top Layer w6: v1(2344,1092) P3.1@2344,1200.28
  Bottom Layer w6: J1.C17@1904.29,486.5 1904.29,652.29 v1(2344,1092)